# Altium PCB GS_V2.PcbDoc
Units mil, origin at the board's own origin, x right, y up, seen from the top; angles counter-clockwise.
Board outline 3077.58 x 2221.03 mil, 4 copper layers (Top Layer, GND, POWER, Bottom Layer), stack 23.756 mil thick; 51 components, 29 nets, 134 pads, 94 vias.
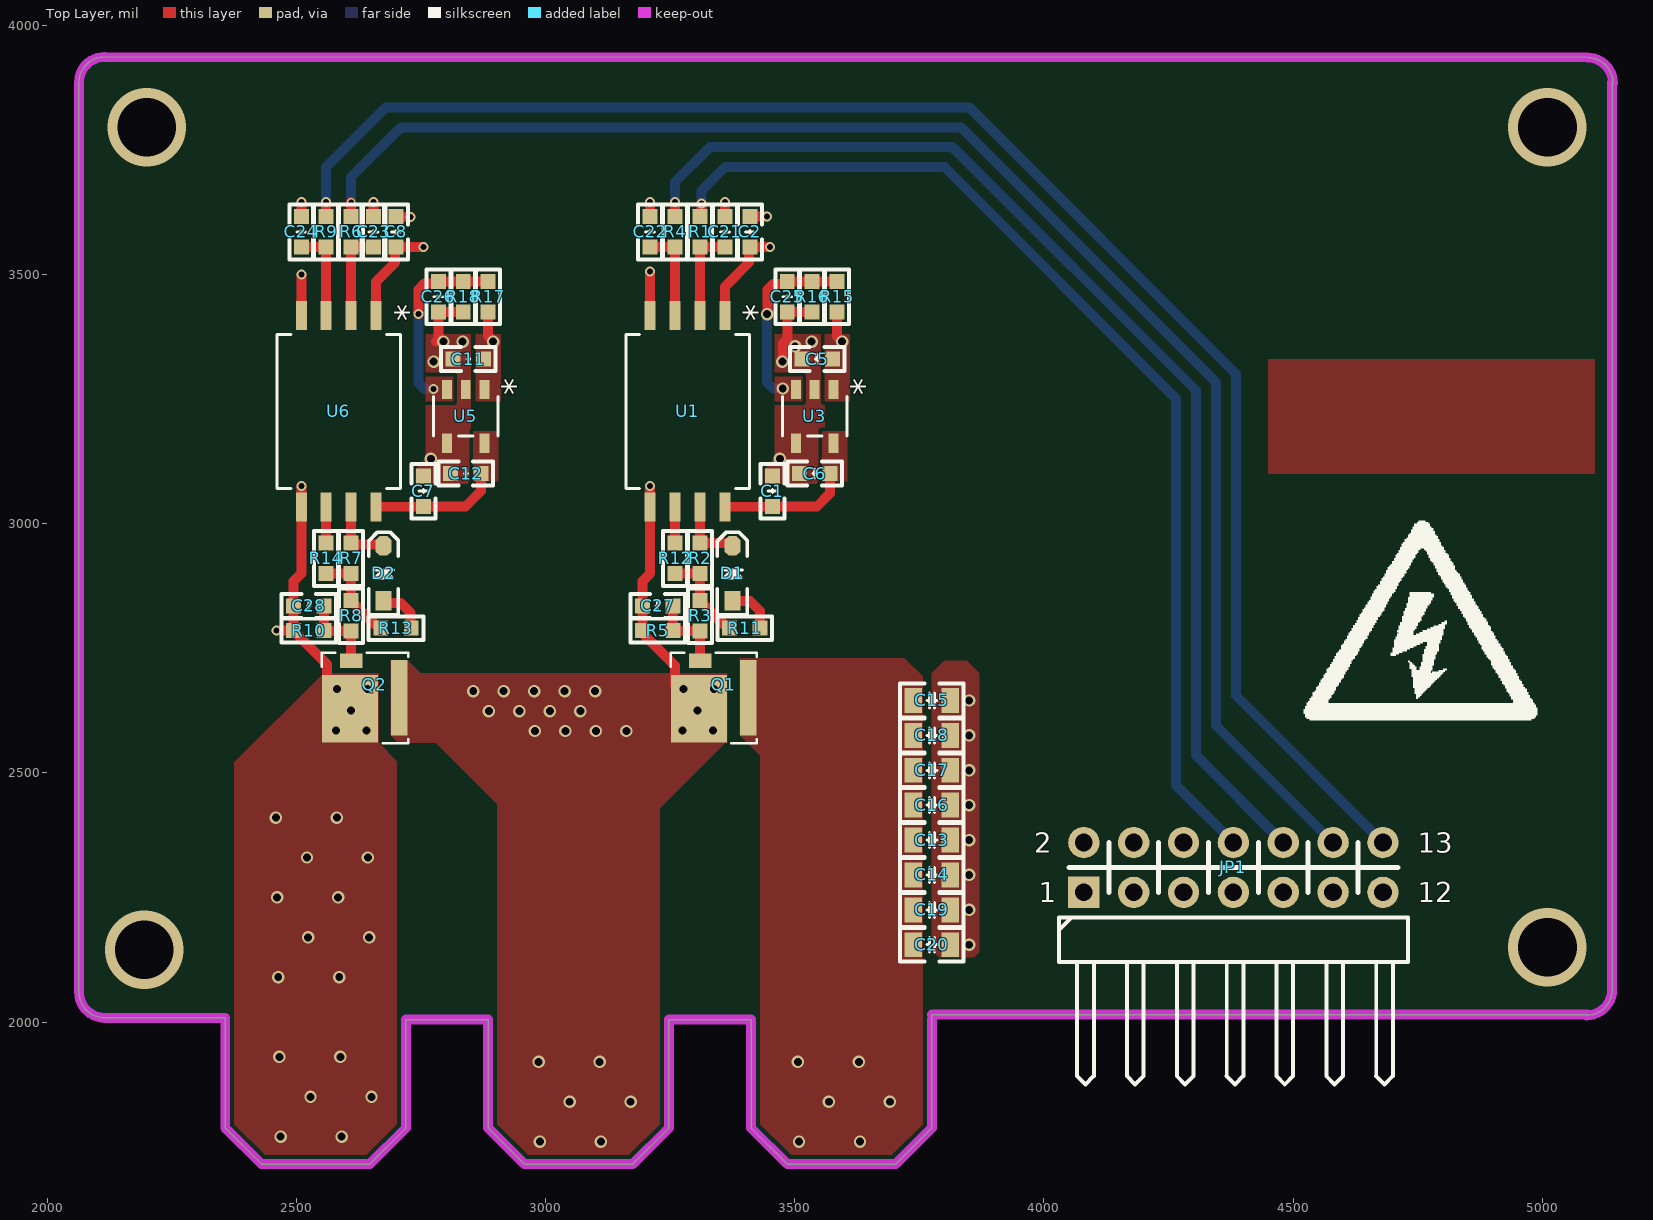
[diagram p0: Top Layer view]
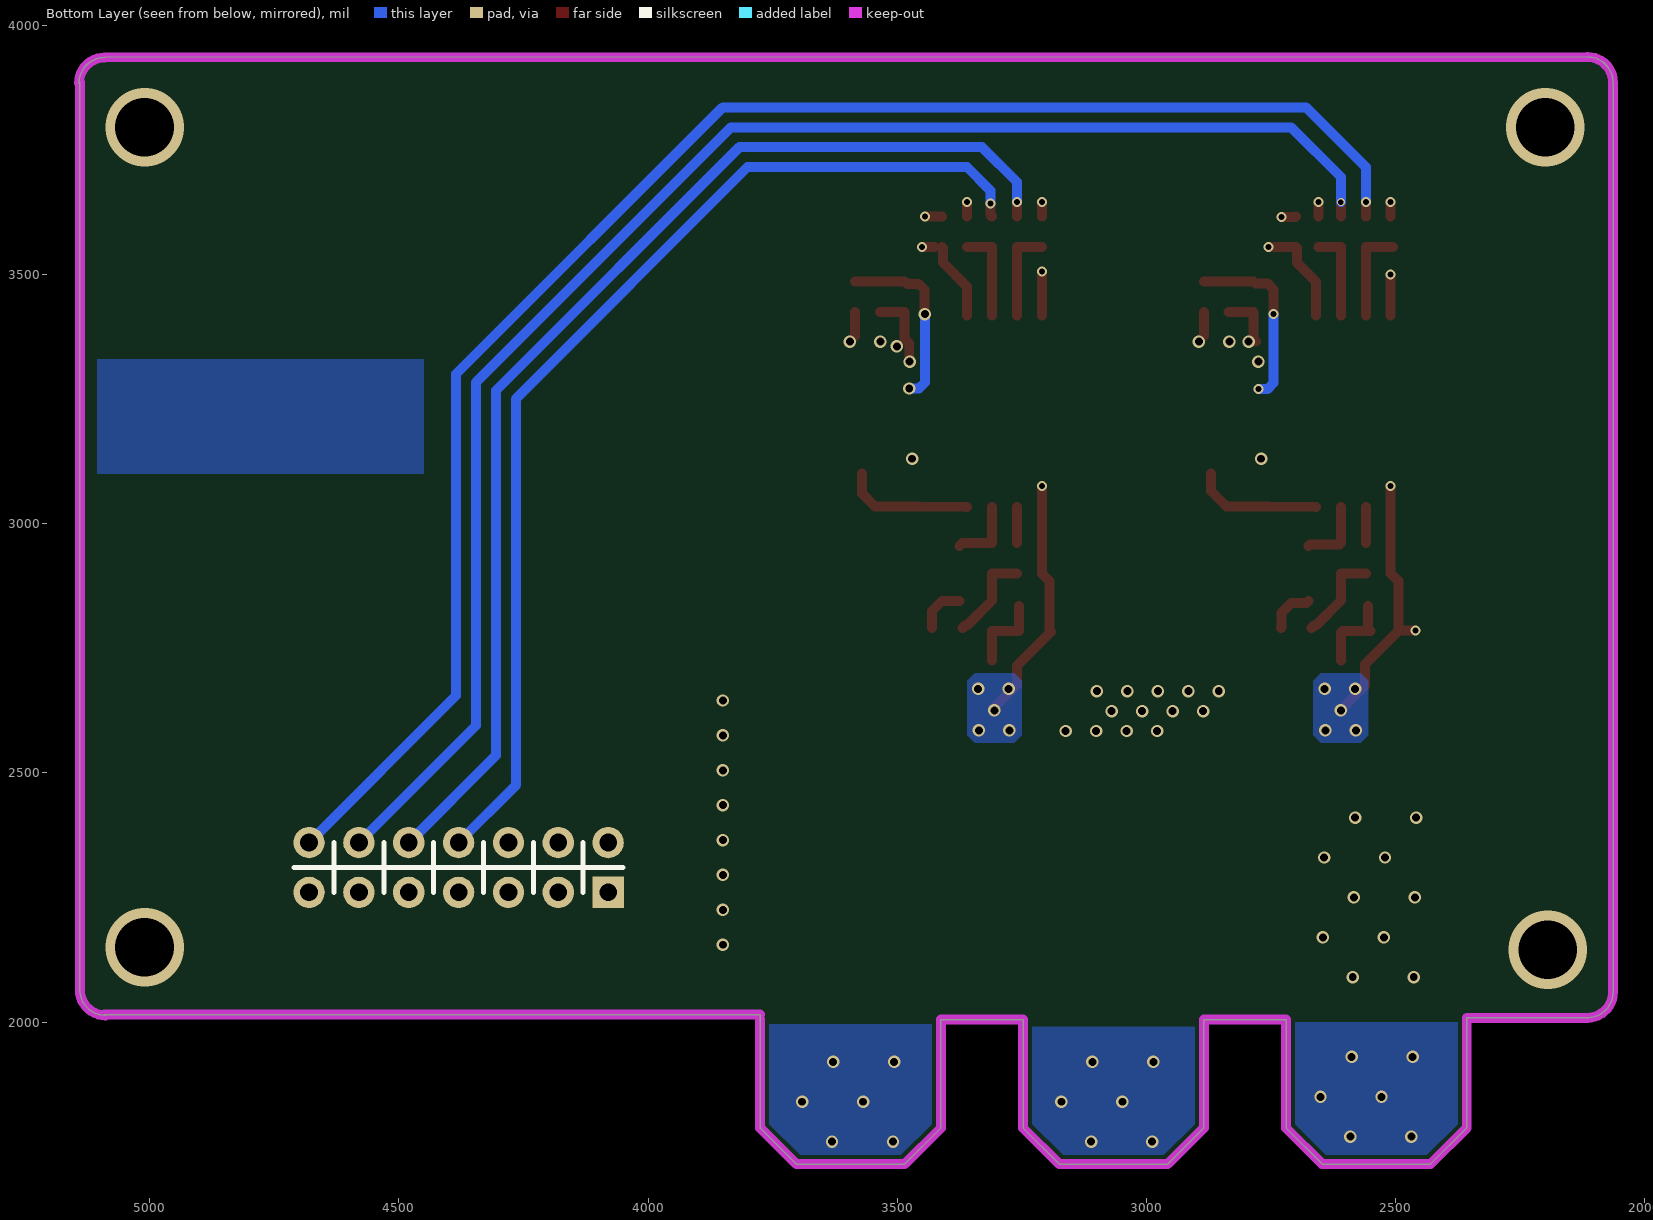
[diagram p1: Bottom Layer view, seen from below]
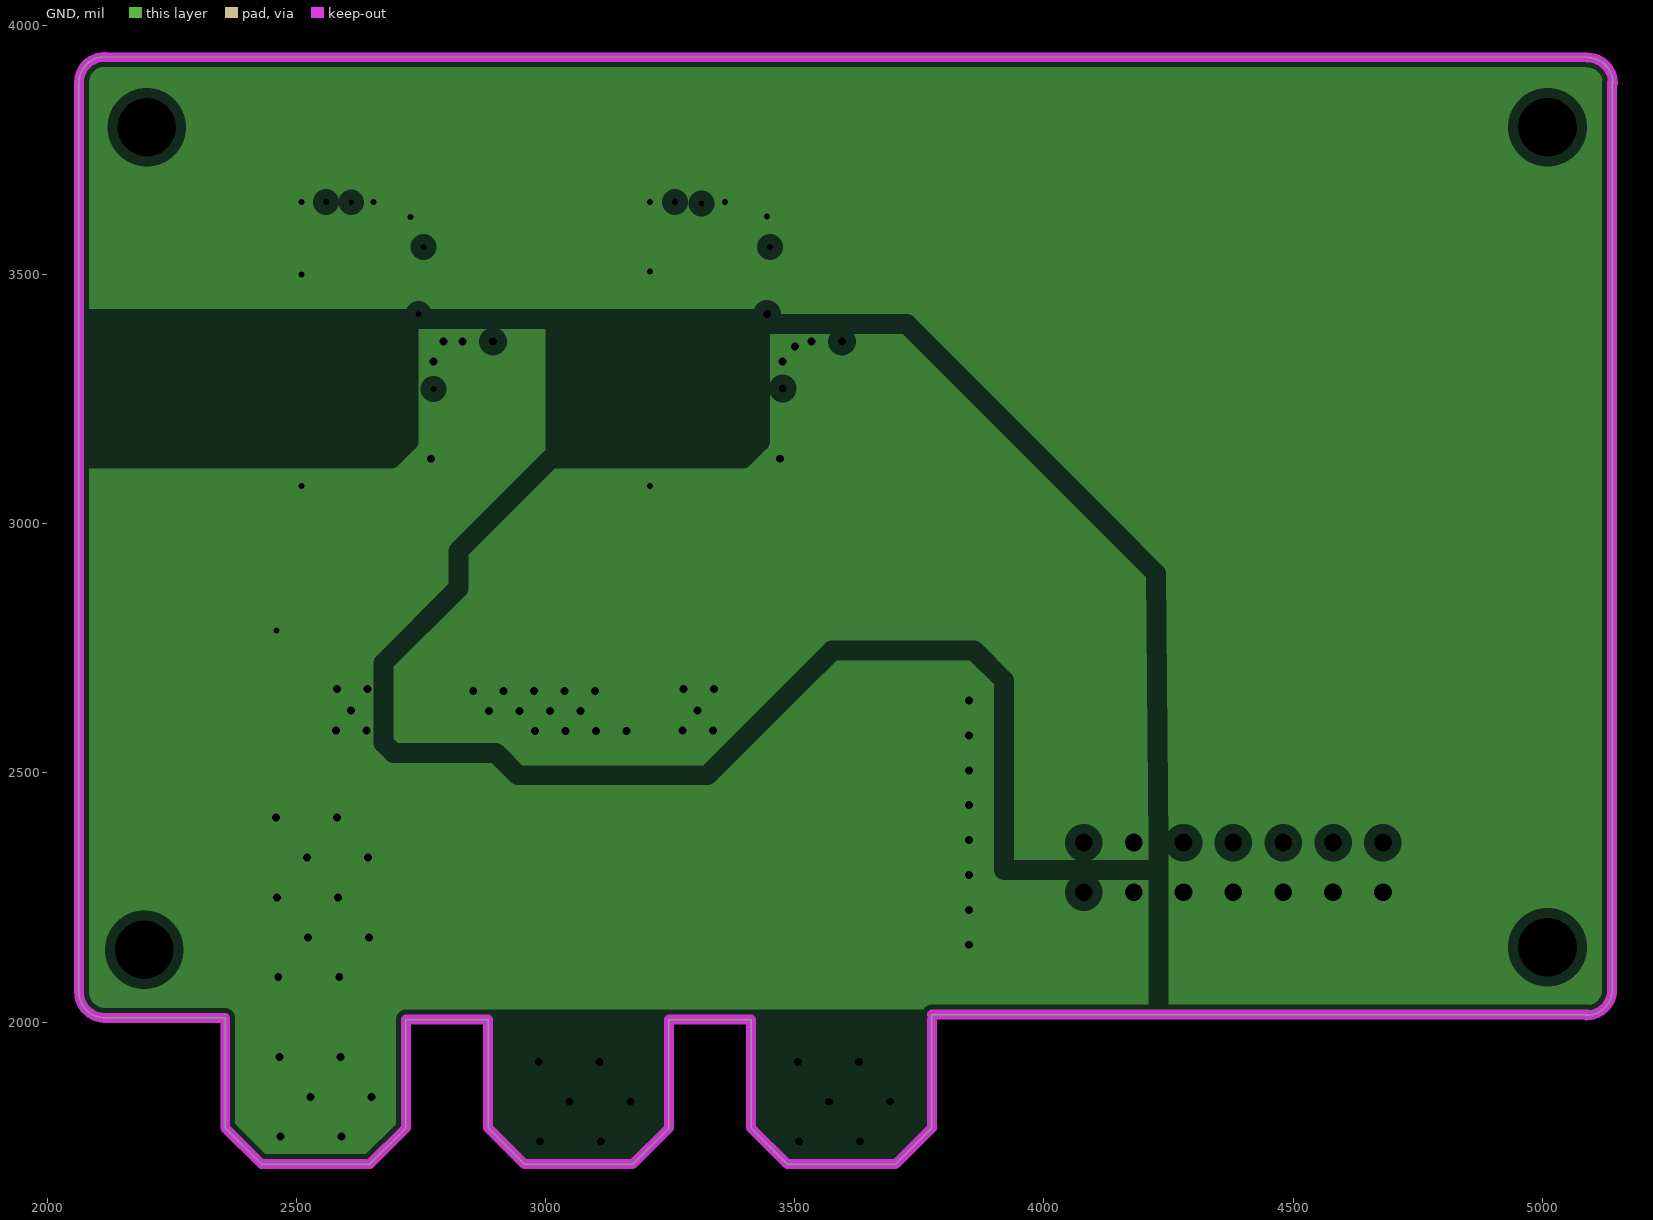
[diagram p2: GND, clearances drawn from the general rule]
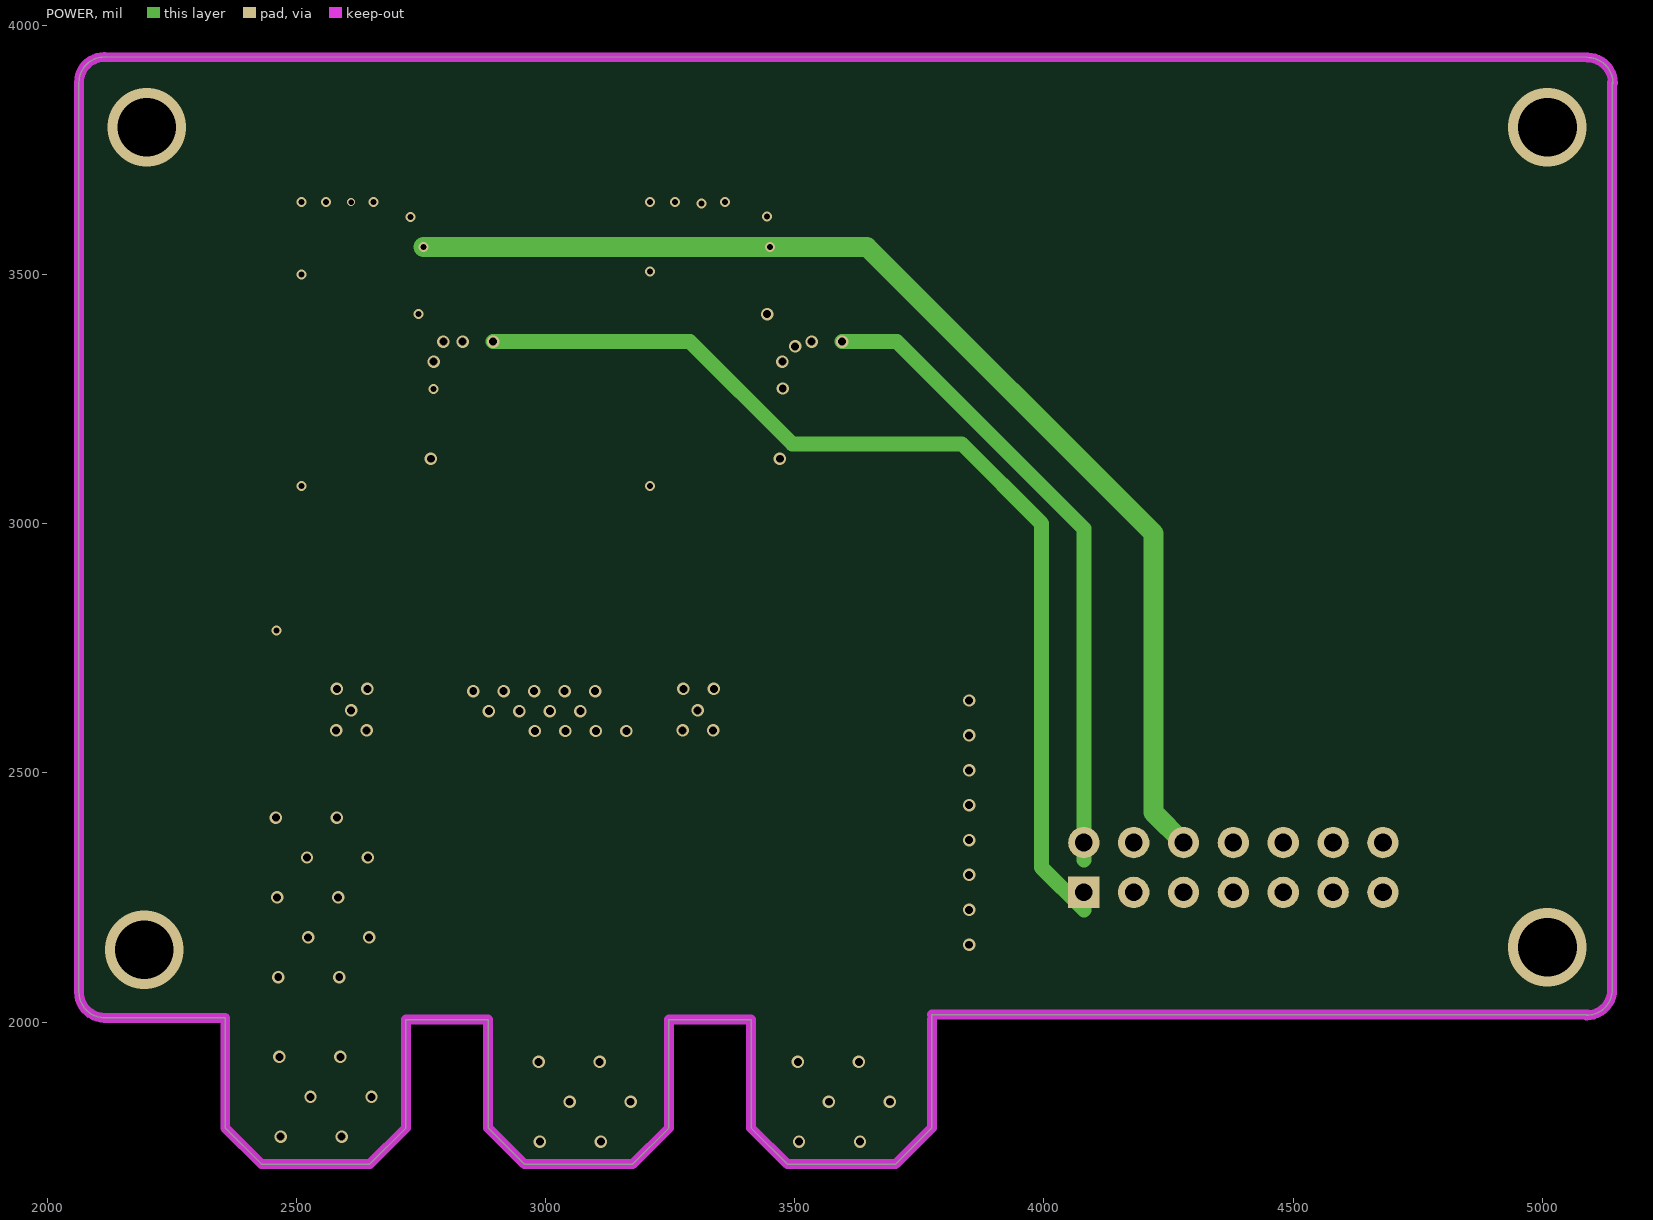
[diagram p3: POWER]

## Layer stack, top to bottom
Top Solder: solder mask 0.4, Solder Resist, Dk 3.5
Top Layer: signal copper 1.4
Dielectric 2: prepreg 2.8, PP-006, Dk 4.1
GND: plane copper 1.378, net (Multiple Nets)
Dielectric 1: dielectric 12.6, FR-4, Dk 4.8
POWER: signal copper 1.378
Dielectric 3: prepreg 2.8, PP-006, Dk 4.1
Bottom Layer: signal copper 1.4
Bottom Solder: solder mask 0.4, Solder Resist, Dk 3.5

## Board outline
2430,1715 2647.5,1715 2720,1787.5 2720,2005 2885,2005 2885,1787.5 2957.5,1715 3175,1715 3247.5,1787.5 3247.5,2005 3412.5,2005 3412.5,1787.5 3485,1715 3702.5,1715 3775,1787.5 3775,2015 5090,2015 5088.38,2013.38 ccw(c5088.38,2065) 5140,2065 5140,3885 5141.62,3883.38 ccw(c5090,3883.38) 5090,3935 2115,3936.03 ccw(c2115,3885.06) 2064.04,3885.06 2064.04,2060.06 ccw(c2115.65,2060.06) 2115.65,2008.44 2357.5,2008.44 2357.5,1787.5

## Design rules (kind name [scope] priority, off if disabled: settings)
Clearance [All] p1: gap=8 ignorepadtopadclearanceinfootprint=FALSE except(10: Arc-Arc Arc-Track Track-Track)
PlaneClearance [All] p1: clearance=20
PlaneConnect PlaneConnect_1 [InNet('PGND') or  InNet('SW')] p1: planeconnectstyle=Direct reliefexpansion=20 reliefentries=4 reliefconductorwidth=10 reliefairgap=10
PlaneConnect [InNet('AGND')] p2: planeconnectstyle=Direct reliefexpansion=20 reliefentries=4 reliefconductorwidth=10 reliefairgap=10
PolygonConnect [All] p1: connectstyle=Direct reliefconductorwidth=10 reliefentries=4 polygonreliefangle="90 Angle" airgapwidth=10
RoutingVias [All] p1: holewidth=10 width=20 viastyle="Through Hole" minholewidth=5 minwidth=10 maxholewidth=30 maxwidth=50
SolderMaskExpansion [All] p1: expansion=4 istentingtop=FALSE
Width [All] p1: maxlimit=50 minlimit=5 preferedwidth=10 minimp=50.000000 maximp=50.000000 favimp=50.000000
28 further rules are at their usual default settings.

## Components (designator, comment, footprint, x,y, rotation, side; value= is the part's Value field where it differs from the comment)
C1 "1u" "C 0603_L" 3455,3065 r90 top
C2 "100n" "C 0603_L" 3410,3585 r90 top
C5 "4.7u" "C 0603_L" 3545,3330 r0 top
C6 "2.2u" "C 0603_L" 3540,3100 r0 top
C7 "1u" "C 0603_L" 2755,3065 r90 top
C8 "100n" "C 0603_L" 2700,3585 r90 top
C11 "4.7u" "C 0603_L" 2845,3330 r0 top
C12 "2.2u" "C 0603_L" 2840,3100 r0 top
C13 "0.022u" "C 0805_L" 3775,2365 r180 top
C14 "0.022u" "C 0805_L" 3775,2295 r180 top
C15 "0.1u" "C 0805_L" 3775,2645 r180 top
C16 "0.1u" "C 0805_L" 3775,2435 r180 top
C17 "0.1u" "C 0805_L" 3775,2505 r180 top
C18 "0.1u" "C 0805_L" 3775,2575 r180 top
C19 "0.022u" "C 0805_L" 3775,2225 r180 top
C20 "0.022u" "C 0805_L" 3775,2155 r180 top
C21 "47p" "C 0603_L" 3360,3585 r90 top
C22 "47p" "C 0603_L" 3210,3585 r270 top
C23 "47p" "C 0603_L" 2655,3585 r270 top
C24 "47p" "C 0603_L" 2510,3585 r270 top
C25 "10u" "C 0603_L" 3485,3455 r90 top
C26 "10u" "C 0603_L" 2785,3455 r90 top
C27 "NDP" "C 0603_L" 3225,2835 r180 top
C28 "NDP" "C 0603_L" 2525,2835 r180 top
D1 "RF01VM2STE-17" SOD-323 3375,2900 r90 top
D2 "RF01VM2STE-17" SOD-323 2675,2900 r90 top
JP1 "Header 2X7" HDR2.54-WI-2x7P 4380,2310 r0 top
Q1 "GS61004B" GS61004B 3337.56,2650.2 r270 top
Q2 "GS61004B" GS61004B 2637.56,2650.2 r270 top
R1 "100" "R 0603_L" 3310,3585 r270 top
R2 "50" "R 0603_L" 3310,2930 r270 top
R3 "0" "R 0603_L" 3310,2815 r270 top
R4 "100" "R 0603_L" 3260,3585 r270 top
R5 "10k" "R 0603_L" 3225,2785 r0 top
R6 "100" "R 0603_L" 2610,3585 r270 top
R7 "50" "R 0603_L" 2610,2930 r270 top
R8 "0" "R 0603_L" 2610,2815 r270 top
R9 "100" "R 0603_L" 2560,3585 r270 top
R10 "10k" "R 0603_L" 2525,2785 r0 top
R11 "0" "R 0603_L" 3400,2790 r180 top
R12 "0" "R 0603_L" 3260,2930 r270 top
R13 "0" "R 0603_L" 2700,2790 r180 top
R14 "0" "R 0603_L" 2560,2930 r270 top
R15 "4k" "R 0603_L" 3585,3455 r270 top
R16 "5k" "R 0603_L" 3535,3455 r90 top
R17 "4k" "R 0603_L" 2885,3455 r270 top
R18 "5k" "R 0603_L" 2835,3455 r90 top
U1 "ADUM4121-1ARIZ" RI-8-1_ADI 3285,3225 r270 top
U3 "TPS70960DBVR" DBV5_TEX 3540,3215 r270 top
U5 "TPS70960DBVR" DBV5_TEX 2840,3215 r270 top
U6 "ADUM4121-1ARIZ" RI-8-1_ADI 2585,3225 r270 top

## Footprints (in the part's own frame and the unit in brackets; to place one, negate y for a bottom-side part, rotate by r counter-clockwise, add the part's x,y. Pads: shape width x height; smd on the part's side, far side on the other; paste and mask are expansions set on the pad)
"C 0603_L" [mil] "无极性贴片电容"
  rect 30x30 smd: 1(-30.59,0) 2(30.59,0)
  silkscreen extent -55,-24 55,24, body extent -31,-16 31,16, height 32
"C 0805_L" [mil] "无极性贴片电容"
  rect 35x50 smd: 1(-37.4,0) 2(37.4,0)
  silkscreen extent -64,-34 64,34, body extent -39,-24 39,24, height 20
DBV5_TEX [mil]
  rect 38.5x20 smd paste+0 mask+0: 1(-53.75,37.4) 2(-53.75,0) 3(-53.75,-37.4) 4(53.75,-37.4) 5(53.75,37.4)
  silkscreen extent -40,-65 40,65, body extent -59,-60 59,60, height 57
GS61004B [mm] "GAN TRANS E-MODE 100V 45A"
  rect 3.85x0.85 smd paste-2: D(0,1.75)
  rect 0.75x1.15 smd paste-2: G(-1.9,-0.7)
  rect 3.45x2.85 smd paste-5: S(0.55,-0.75)
  silkscreen extent -2.3,-2.2 2.3,2.2, body extent -2.29,-2.22 2.29,2.22, height 0.5
HDR2.54-WI-2x7P [mm] "双排弯脚排针，7x2脚"
  rect 1.6x1.6 hole 0.9: 1(-7.62,-1.27)
  round 1.6 hole 0.9: 2(-7.62,1.27) 3(-5.08,-1.27) 4(-5.08,1.27) 5(-2.54,-1.27) 6(-2.54,1.27) 7(0,-1.27) 8(0,1.27) 9(2.54,-1.27) 10(2.54,1.27) 11(5.08,-1.27) 12(5.08,1.27) 13(7.62,-1.27) 14(7.62,1.27)
  silkscreen extent -8.89,-11.06 8.89,1.27, body extent -8.89,-11.23 8.89,1.62, height 5.1
"R 0603_L" [mil] "1/10W贴片电阻"
  rect 30x30 smd: 1(-30.59,0) 2(30.59,0)
  silkscreen extent -55,-24 55,24, body extent -31,-16 32,16, height 16
RI-8-1_ADI [mil]
  rect 58x22 smd paste+0 mask+0: 1(-192,75) 2(-192,25) 3(-192,-25) 4(-192,-75) 5(192,-75) 6(192,-25) 7(192,25) 8(192,75)
  silkscreen extent -155,-124 155,124, body extent -207,-119 207,119, height 104
SOD-323 [mm] "1.8x1.3X0.9mm（长宽高，不包括引脚）"
  rect 1x0.8 smd: 1(-1.4,0)
  oct 1x0.8 smd: 2(1.4,0)
  silkscreen extent -2.11,-0.76 2.11,0.76, body extent -1.34,-0.63 1.31,0.67, height 1

## Part data
C1 C2 C5 C6 C7 C8 C11 C12 C13 C14 C15 C16 C17 C18 C19 C20 C21 C22 C23 C24 C25 C26 C27 C28: library part C, "无极性贴片电容", BOM名称=无极性贴片电容, 学习资源=www.ooocke.com, 材质=X7R, 版权归属=源创客
D1 D2: library part 1N5819, "肖特基二极管", BOM名称=肖特基二极管, 学习资源=www.ooocke.com, 属性=40V/2A, 版权归属=源创客
JP1: library part "Header 7X2", "7*2P接插件", BOM名称=7*2P接插件, 学习资源=www.ooocke.com, 版权归属=源创客
Q1 Q2: "GAN TRANS E-MODE 100V"
R1 R2 R3 R4 R5 R6 R7 R8 R9 R10 R11 R12 R13 R14 R15 R16 R17 R18: library part R, "贴片电阻", BOM名称=贴片电阻, 学习资源=www.ooocke.com, 版权归属=源创客
U1 U6: "No Description Available", Mfr_Name="Analog Devices Inc", RefDes=RefDes, Type="Isolators - Gate Drivers"
U3 U5: "No Description Available", Mfr_Name="Texas Instruments", RefDes=RefDes, Type=Type

## Via types
v1: diameter 25, hole 16, Top Layer to Bottom Layer, 71 vias
v2: diameter 20, hole 12, Top Layer to Bottom Layer, 18 vias
v3: diameter 157.48, hole 118.11, Top Layer to Bottom Layer, 4 vias
v4: diameter 16, hole 11, Top Layer to Bottom Layer, 1 vias

## Nets (pads, with @x,y where several pads share a name; then routed paths per layer and width w, separated by ;. In a path a pad name is that pad's centre, name@x,y a point inside that pad or via, vN(x,y) a via of type N, cw(c..) or ccw(c..) an arc to the next point about the centre after c; other vN are vias at no path point)
+9V_ISO_B: C11.2 JP1.1 R17.2 U5.1 | length 2124.9
  Top Layer w20: R17.2 2885,3376.35 2895,3366.35 v1(2895,3365)
  POWER w30: v1(2895,3365) 3290,3365 3495,3160 3835,3160 3995,3000 3995,2310 4080,2225
+9V_ISO_T: C5.2 JP1.2 R15.2 U3.1 | length 1368.9
  Top Layer w20: R15.2 3585,3375 v1(3595,3365)
  POWER w30: v1(3595,3365) 3705,3365 4080,2990 4080,2325
AGND: C2.2 C8.2 C21.2 C22.1 C23.1 C24.1 JP1.5 JP1.7 JP1.9 JP1.11 JP1.13 U1.4 U6.4 | length 353.3
  Top Layer w20: U6.4 v2(2510,3500) ; C24.1 v2(2510,3645) ; C23.1 v2(2655,3645) ; C8.2 2700.59,3615 v2(2729,3615) ; U1.4 v2(3210,3506) ; C22.1 v2(3210,3645) ; C21.2 v2(3360,3645) ; C2.2 v2(3444.41,3615.59)
Bot_IN+: JP1.12 R6.1 | length 3088.5
  Top Layer w20: R6.1 v4(2610,3645)
  Bottom Layer w20: v4(2610,3645) 2610,3695 2710,3795 3833.43,3795 4345,3283.43 4345,2595 JP1.12
Bot_IN-: JP1.14 R9.1 | length 3259.7
  Top Layer w20: R9.1 v2(2560,3645)
  Bottom Layer w20: v2(2560,3645) 2560,3715 2680,3835 3850,3835 4385,3300 4385,2655 JP1.14@4681.3,2358.7
HVBUS: C13.2 C14.2 C15.2 C16.2 C17.2 C18.2 C19.2 C20.2 Q1.D
  other v1: 3508.54,1760 3630.91,1760 3568.54,1840 3690.91,1840 3506.18,1920 3628.54,1920
NetC21_1: C21.1 R1.2 U1.2 | length 187.4
  Top Layer w20: U1.2 3310,3489.41 R1.2 C21.1
NetC22_2: C22.2 R4.2 U1.3 | length 187.4
  Top Layer w20: C22.2 R4.2 U1.3
NetC23_2: C23.2 R6.2 U6.2 | length 182.4
  Top Layer w20: U6.2 R6.2 C23.2
NetC24_2: C24.2 R9.2 U6.3 | length 192.4
  Top Layer w20: C24.2@2505,3554.41 R9.2 U6.3
NetC25_2: C25.2 R15.1 R16.2 U3.3 | length 369.4
  Top Layer w20: v1(3444.5,3420) 3445.46,3420.96 3445.46,3469.28 3457.17,3480.99 3480.4,3480.99 C25.2 R16.2 R15.1
  Bottom Layer w20: v1(3444.5,3420) 3444.5,3283.04 3456.22,3271.32 3475.59,3271.32 v1(3475.96,3270.96)
NetC26_2: C26.2 R17.1 R18.2 U5.3 | length 369.4
  Top Layer w20: v2(2745,3420) 2745,3469.73 2756.72,3481.45 2780.86,3481.45 C26.2 R18.2 R17.1
  Bottom Layer w20: v2(2745,3420) 2745,3281.72 2756.72,3270 v2(2775,3270)
NetC27_1: C27.1 Q1.G R3.2 R5.2 | length 162.6
  Top Layer w20: R5.2 C27.1 ; R5.2@3256.18,2784.41 R3.2@3309.41,2784.41 ; Q1.G R3.2
NetC28_1: C28.1 Q2.G R8.2 R10.2 | length 167.1
  Top Layer w20: R10.2@2550.89,2784.7 2607.15,2784.7 2610,2781.85 Q2.G ; R10.2 C28.1
NetD1_1: D1.1 R11.1 | length 98.5
  Top Layer w20: D1.1 3380.75,2844.88 3410.12,2844.88 3430.59,2824.41 R11.1
NetD1_2: D1.2 R2.1 U1.7 | length 139.7
  Top Layer w20: U1.7 R2.1 3369.53,2960.59 D1.2
NetD2_1: D2.1 R13.1 | length 95.6
  Top Layer w20: D2.1 2678.87,2841.01 2708.99,2841.01 2729.08,2820.92 2729.08,2791.51 R13.1
NetD2_2: D2.2 R7.1 U6.7 | length 139.7
  Top Layer w20: U6.7 R7.1 2612.74,2957.85 2672.26,2957.85 D2.2
NetR2_2: R2.2 R3.1 R11.2 R12.2 | length 186.3
  Top Layer w20: R12.2 R2.2 R3.1 3360.59,2795 3364.41,2795 R11.2
NetR7_2: R7.2 R8.1 R13.2 R14.2 | length 186.3
  Top Layer w20: R14.2 R7.2 R8.1 2660.59,2795 2664.41,2795 R13.2
NetR12_1: R12.1 U1.6 | length 72.4
  Top Layer w20: R12.1 U1.6
NetR14_1: R14.1 U6.6 | length 72.4
  Top Layer w20: R14.1 U6.6
PGND: C7.2 C11.1 C12.1 C13.1 C14.1 C15.1 C16.1 C17.1 C18.1 C19.1 C20.1 C26.1 C28.2 JP1.3 Q2.S R10.1 R18.1 U5.2 U5.4 U6.5 | length 645.9
  Top Layer w20: v2(2460,2785) R10.1 ; v2(2510,3075) U6.5 2510,2900 2494.41,2884.41 R10.1 ; Q2.S 2561.93,2674.65 2561.93,2717.48 R10.1 ; 2780,3365 2785,3370 C26.1 R18.1
  other v1: 2468.54,1770 2590.91,1770 2528.54,1850 2650.91,1850 2466.18,1930 2588.54,1930 2463.82,2090 2586.18,2090 3850,2155 2523.82,2170 2646.18,2170 3850,2225 2461.46,2250 2583.82,2250 3850,2295 2521.46,2330 2643.82,2330 3850,2365 2459.09,2410 2581.46,2410 3850,2435 3850,2505 3850,2575 2580,2585 2641.18,2585 2610,2625 3850,2645 2581.46,2668.54 2642.64,2668.54 2770,3130 2775.5,3325 2795,3365 2833.82,3365
SW: C1.2 C5.1 C6.1 C25.1 C27.2 JP1.4 Q1.S Q2.D R5.1 R16.1 U1.5 U3.2 U3.4 | length 652.1
  Top Layer w20: R5.1@3191.91,2782.5 3259.43,2714.98 3259.43,2677.15 Q1.S ; R5.1 3194.41,2884.41 3210,2900 v2(3210,3075) ; v1(3475,3325) 3475.96,3325.96 3475.96,3360.96 3485,3370 C25.1 R16.1
  other v1: 2988.54,1760 3110.91,1760 3048.54,1840 3170.91,1840 2986.18,1920 3108.54,1920 2978.54,2583.82 3039.72,2583.82 3100.91,2583.82 3162.09,2583.82 3275,2585 3336.18,2585 2886.18,2623.82 2947.36,2623.82 3008.54,2623.82 3069.72,2623.82 3305,2625 2855,2663.82 2916.18,2663.82 2977.36,2663.82 3038.54,2663.82 3099.72,2663.82 3276.46,2668.54 3337.64,2668.54 3470,3130 3500.72,3355.52 3533.82,3365
Top_IN+: JP1.8 R1.1 | length 2155.5
  Top Layer w20: R1.1 3313.28,3618.87 v2(3313.28,3641.72)
  Bottom Layer w20: v2(3313.28,3641.72) 3313.28,3668.28 3360,3715 3800.29,3715 4265,3250.29 4265,2475 JP1.8
Top_IN-: JP1.10 R4.1 | length 2322.4
  Top Layer w20: R4.1 v2(3260,3645)
  Bottom Layer w20: v2(3260,3645) 3260,3685 3330,3755 3816.86,3755 4305,3266.86 4305,2535 JP1.10@4478.18,2361.82
VCC5V: C2.1 C8.1 JP1.6 U1.1 U6.1 | length 2739.8
  Top Layer w20: U6.1 2660,3485 2698.49,3523.49 2698.49,3552.9 C8.1 2754.41,3554.41 v2(2755,3555) ; U1.1 3360,3475 3408.49,3523.49 3408.49,3552.9 C2.1 ; 3425.59,3555 v2(3450,3555)
  POWER w40: v2(2755,3555) v2(3450,3555) 3645,3555 4220,2980 4220,2420 JP1.6
VDD_6_B: C7.1 C12.2 U5.5 U6.8 | length 258.5
  Top Layer w20: U6.8 2660.7,3033.7 2754.3,3033.7 C7.1 2839.41,3034.41 2870.59,3065.59 C12.2
VDD_6_T: C1.1 C6.2 U1.8 U3.5 | length 261.4
  Top Layer w20: U1.8 3360.7,3033.7 3454.3,3033.7 C1.1 3544.41,3034.41 3570.59,3060.59 C6.2
copper on no net:
  other v3: 2195,2145 5010,2150 2200,3795 5010,3795

## Polygon pours and split planes (outlines as drawn)
PGND on Top Layer "NONET_L-01_P-001" (solid, pour order 58): 2340,2000 2340,1784.1 2429.1,1695 2655,1695 2740,1780 2740,2000
HVBUS on Top Layer "NONET_L-01_P-001" (solid, pour order 57): 3400,1995 3400,1779.98 3480,1699.98 3704.98,1699.98 3780,1775 3780,1995
SW on Top Layer "NONET_L-01_P-001" (solid, pour order 56): 2865,1990 2865,1789.98 2955,1699.98 3189.98,1699.98 3260,1770 3260,1990
PGND on Top Layer "NONET_L-01_P-001" (solid, pour order 48): 2375.85,2000 2375.85,2520.85 2555,2700 2665,2700 2665,2560 2701.65,2523.35 2701.65,1986.65 2700,1985 2390.85,1985
SW on Top Layer "NONET_L-01_P-001" (solid, pour order 47): 2903.35,1982.5 2903.35,2436.65 2775,2565 3365,2565 3229.15,2429.15 3229.15,1984.15 3205,1960 2925.85,1960
HVBUS on Top Layer "NONET_L-01_P-001" (solid, pour order 46): 3390,2575 3430.85,2534.15 3430.85,1969.15 3435,1965 3730,1965 3756.65,1991.65 3756.65,2693.35 3720,2730 3390,2730
no net on Top Layer "NONET_L-01_P-001" (solid, pour order 33): 4450,3330 5105,3330 5105,3100 4450,3100
PGND on Top Layer "NONET_L-01_P-001" (solid, pour order 20): 3775,2675 3775,2670 3775,2145 3790,2130 3860,2130 3870,2140 3870,2700 3845,2725 3800,2725 3775,2700
SW on Top Layer "NONET_L-01_P-001" (solid, pour order 4): 3560,3380 3460,3380 3460,3295 3515,3295 3515,3245 3460,3245 3460,3130 3440,3110 3440,3080 3560,3080
VDD_6_T on Top Layer "NONET_L-01_P-001" (solid, pour order 3): 3555,3085 3555,3185 3605,3185 3605,3085
NetC25_2 on Top Layer "NONET_L-01_P-001" (solid, pour order 1): 3515,3295 3460,3295 3460,3245 3515,3245
+9V_ISO_T on Top Layer "NONET_L-01_P-001" (solid, pour order 0): 3560,3380 3560,3245 3610,3245 3610,3380
SW on Top Layer "NONET_L-01_P-001" (solid, pour order 14): 3365,2700 3365,2560 2705,2560 2690,2575 2690,2725 2725,2725 2750,2700 3085,2700
+9V_ISO_B on Top Layer "NONET_L-01_P-001" (solid, pour order 9): 2860,3380 2860,3245 2910,3245 2910,3380
NetC26_2 on Top Layer "NONET_L-01_P-001" (solid, pour order 10): 2815,3295 2760,3295 2760,3245 2815,3245
VDD_6_B on Top Layer "NONET_L-01_P-001" (solid, pour order 11): 2855,3085 2855,3185 2905,3185 2905,3085
PGND on Top Layer "NONET_L-01_P-001" (solid, pour order 12): 2850,3380 2760,3380 2760,3295 2815,3295 2815,3245 2760,3245 2760,3130 2740,3110 2740,3080 2850,3080
no net on Bottom Layer "NONET_L-01_P-001" (solid, pour order 31): 4450,3330 5105,3330 5105,3100 4450,3100
HVBUS on Bottom Layer "NONET_L-01_P-001" (solid, pour order 44): 3400,1995 3400,1779.98 3480,1699.98 3704.98,1699.98 3780,1775 3780,1995
SW on Bottom Layer "NONET_L-01_P-001" (solid, pour order 43): 2865,1990 2865,1789.98 2955,1699.98 3189.98,1699.98 3260,1770 3260,1990
PGND on Bottom Layer "NONET_L-01_P-001" (solid, pour order 42): 2340,2000 2340,1784.1 2429.1,1695 2655,1695 2740,1780 2740,2000
SW on Bottom Layer "NONET_L-01_P-001" (solid, pour order 36): 3265,2700 3250,2685 3250,2575 3265,2560 3345,2560 3360,2575 3360,2685 3345,2700
PGND on Bottom Layer "NONET_L-01_P-001" (solid, pour order 34): 2570,2700 2555,2685 2555,2575 2570,2560 2650,2560 2665,2575 2665,2685 2650,2700
SW on Top Solder "NONET_L-01_P-001" (solid, pour order 55): 2865,1990 2865,1789.98 2955,1699.98 3189.98,1699.98 3260,1770 3260,1990
HVBUS on Top Solder "NONET_L-01_P-001" (solid, pour order 53): 3400,1995 3400,1779.98 3480,1699.98 3704.98,1699.98 3780,1775 3780,1995
PGND on Top Solder "NONET_L-01_P-001" (solid, pour order 49): 2340,2000 2340,1784.1 2429.1,1695 2655,1695 2740,1780 2740,2000
PGND on Bottom Solder "NONET_L-01_P-001" (solid, pour order 52): 2340,2000 2340,1784.1 2429.1,1695 2655,1695 2740,1780 2740,2000
HVBUS on Bottom Solder "NONET_L-01_P-001" (solid, pour order 51): 3400,1995 3400,1779.98 3480,1699.98 3704.98,1699.98 3780,1775 3780,1995
SW on Bottom Solder "NONET_L-01_P-001" (solid, pour order 50): 2865,1990 2865,1789.98 2955,1699.98 3189.98,1699.98 3260,1770 3260,1990
SW on GND (split plane): 4120.79,2975.79 4204.98,2891.6 4209.9,2359.91 4209.9,2325.1 3940.1,2325.1 3940.1,2460 3940.1,2685 3939.71,2688.92 3938.57,2692.69 3936.71,2696.17 3934.21,2699.21 3874.21,2759.21 3871.17,2761.71 3867.69,2763.57 3863.92,2764.71 3860,2765.1 3575,2765.1 3571.08,2764.71 3567.31,2763.57 3563.83,2761.71 3560.79,2759.21 3495.79,2694.21 3316.68,2515.1 2953.32,2515.1 2914.21,2554.21 2911.17,2556.71 2907.69,2558.57 2903.92,2559.71 2900,2560.1 2703.32,2560.1 2695.1,2568.32 2695.1,2711.68 2839.21,2855.79 2841.71,2858.83 2843.57,2862.31 2844.71,2866.08 2845.1,2870 2845.1,2936.68 3018.32,3109.9 3395,3109.9 3398.92,3110.29 3402.69,3111.43 3406.17,3113.29 3409.21,3115.79 3444.21,3150.79 3446.71,3153.83 3448.57,3157.31 3449.71,3161.08 3450.1,3165 3450.1,3379.9 3716.68,3379.9
AGND on GND (split plane): 2114.99,3915.93 5089.99,3914.9 5090,3914.9 5090.53,3914.96 5094.95,3914.61 5099.77,3913.45 5104.35,3911.55 5108.58,3908.96 5112.36,3905.74 5115.58,3901.96 5118.17,3897.73 5120.07,3893.15 5120.73,3890.38 5120.29,3888.92 5119.9,3885 5119.9,2065 5119.96,2064.47 5119.61,2060.05 5118.45,2055.23 5116.55,2050.65 5113.96,2046.42 5110.74,2042.64 5106.96,2039.42 5102.73,2036.83 5098.15,2034.93 5095.38,2034.27 5093.92,2034.71 5090,2035.1 4250.1,2035.1 4250.1,2360 4250.09,2360.09 4250.1,2360.19 4245.1,2900.19 4244.9,2902.05 4244.71,2903.92 4244.68,2904.01 4244.67,2904.1 4244.11,2905.89 4243.57,2907.69 4243.52,2907.77 4243.49,2907.86 4242.59,2909.51 4241.71,2911.17 4241.65,2911.24 4241.61,2911.32 4240.4,2912.76 4239.21,2914.21 4149.21,3004.21 3739.21,3414.21 3736.17,3416.71 3732.69,3418.57 3728.92,3419.71 3725,3420.1 3472.28,3420.1 3471.71,3421.17 3469.21,3424.21 3466.17,3426.71 3462.69,3428.57 3458.92,3429.71 3455,3430.1 3020,3430.1 2084.13,3430.1 2084.13,3885.06 2084.08,3885.58 2084.42,3889.91 2085.56,3894.63 2087.41,3899.12 2089.95,3903.26 2093.11,3906.95 2096.8,3910.11 2100.94,3912.65 2105.43,3914.51 2110.16,3915.64 2114.48,3915.98
PGND on GND (split plane): 2999.9,3147.28 2998.83,3146.71 2995.79,3144.21 2810.79,2959.21 2808.29,2956.17 2806.43,2952.69 2805.29,2948.92 2804.9,2945 2804.9,2878.32 2660.79,2734.21 2658.29,2731.17 2656.43,2727.69 2655.29,2723.92 2654.9,2720 2654.9,2560 2655.29,2556.08 2656.43,2552.31 2658.29,2548.83 2660.79,2545.79 2680.79,2525.79 2683.83,2523.29 2687.31,2521.43 2691.08,2520.29 2695,2519.9 2891.68,2519.9 2930.79,2480.79 2933.83,2478.29 2937.31,2476.43 2941.08,2475.29 2945,2474.9 3325,2474.9 3328.92,2475.29 3332.69,2476.43 3336.17,2478.29 3339.21,2480.79 3524.21,2665.79 3583.32,2724.9 3851.68,2724.9 3899.9,2676.68 3899.9,2460 3899.9,2305 3900.29,2301.08 3901.43,2297.31 3903.29,2293.83 3905.79,2290.79 3908.83,2288.29 3912.31,2286.43 3916.08,2285.29 3920,2284.9 4209.9,2284.9 4209.9,2035.1 3775,2035.1 3771.08,2034.71 3767.31,2033.57 3763.83,2031.71 3760.79,2029.21 3758.29,2026.17 3757.67,2025 3413.48,2025 3412.5,2025.1 3247.5,2025.1 3246.52,2025 2885.98,2025 2885,2025.1 2720,2025.1 2716.08,2024.71 2712.31,2023.57 2708.83,2021.71 2705.79,2019.21 2703.29,2016.17 2701.43,2012.69 2700.29,2008.92 2699.9,2005 2699.9,1795.82 2639.18,1735.1 2438.32,1735.1 2377.6,1795.82 2377.6,2008.44 2377.21,2012.36 2376.07,2016.13 2374.21,2019.61 2371.71,2022.65 2368.67,2025.15 2365.19,2027.01 2361.42,2028.15 2357.5,2028.54 2115.65,2028.54 2115.12,2028.49 2110.71,2028.84 2105.88,2029.99 2101.3,2031.89 2097.07,2034.48 2093.3,2037.71 2090.08,2041.48 2087.48,2045.71 2085.59,2050.29 2084.43,2055.12 2084.08,2059.53 2084.13,2060.06 2084.13,3109.9 2690,3109.9 2693.92,3110.29 2697.69,3111.43 2701.17,3113.29 2704.21,3115.79 2739.21,3150.79 2741.71,3153.83 2743.57,3157.31 2744.71,3161.08 2745.1,3165 2745.1,3389.9 2999.9,3389.9

## Keep-outs
Keep-Out Layer:
  lines w20: 2064.04,2060.06 ccw(c2115.65,2060.06) 2115.65,2008.44 2357.5,2008.44 2357.5,1787.5 2430,1715 2647.5,1715 2720,1787.5 2720,2005 2885,2005 2885,1787.5 2957.5,1715 3175,1715 3247.5,1787.5 3247.5,2005 3412.5,2005 3412.5,1787.5 3485,1715 3702.5,1715 3775,1787.5 3775,2005 ; 2064.04,2065.06 2064.04,3885.06 cw(c2115,3885.06) 2115,3936.03 5090,3935 cw(c5090,3883.38) 5141.62,3883.38 ; 3775,2015 5090,2015 ; 5088.38,2013.38 ccw(c5088.38,2065) 5140,2065 5140,3885

## Other copper
GND (plane layer: these items are gaps in the copper):
  rectangle: 3380,1670 3795,2025
  rectangle: 2875,1710 3260,2025
  rectangle: 2075,3140 2707.5,3402.5
  rectangle: 3020,3147.5 3412.5,3395
  lines w40: 2070,3410 3020,3410 3455,3410 ; 2080,3130 2690,3130 2725,3165 2725,3400 ; 3020,3130 3020,3405 ; 4220,2305 3920,2305 3920,2460 3920,2685 3860,2745 3665,2745 3575,2745 3510,2680 3325,2495 2945,2495 2900,2540 2695,2540 2675,2560 2675,2720 2825,2870 2825,2945 3010,3130 3395,3130 3430,3165 3430,3400 3590,3400 3630,3400 3725,3400 4135,2990 4225,2900 4230,2360 4230,2020

## Silkscreen, mask and mechanical layers (free items; w line width, h text height)
Top Overlay:
  drawing of 2 lines, arcs and shapes, not listed
Top Solder:
  text "Half-bridge module / T9 TG 5V T+ T- B+ B-  / B9 BG AG---------------" at 4460,3115 h60
Bottom Solder:
  text "VANILLAC / GS_V2" at 5095,3110 h60

## Text inside footprints (layer, text, board x,y; h text height)
JP1: Top Overlay "2" at 3980,2340 h40; Top Overlay "12" at 4750,2240 h40; Top Overlay "1" at 3990,2240 h40; Top Overlay "13" at 4750,2340 h40
U1: Top Overlay "*" at 3377,3439.5 h50 r270; Mechanical 13 "*" at 3351,3372 h50 r270
U3: Top Overlay "*" at 3592.4,3291.25 h50 r270; Mechanical 13 "*" at 3554.4,3252 h50 r270
U5: Top Overlay "*" at 2892.4,3291.25 h50 r270; Mechanical 13 "*" at 2854.4,3252 h50 r270
U6: Top Overlay "*" at 2677,3439.5 h50 r270; Mechanical 13 "*" at 2651,3372 h50 r270